# Altium PCB SecurityBoard.PcbDoc (part 1 of 2) (continued)
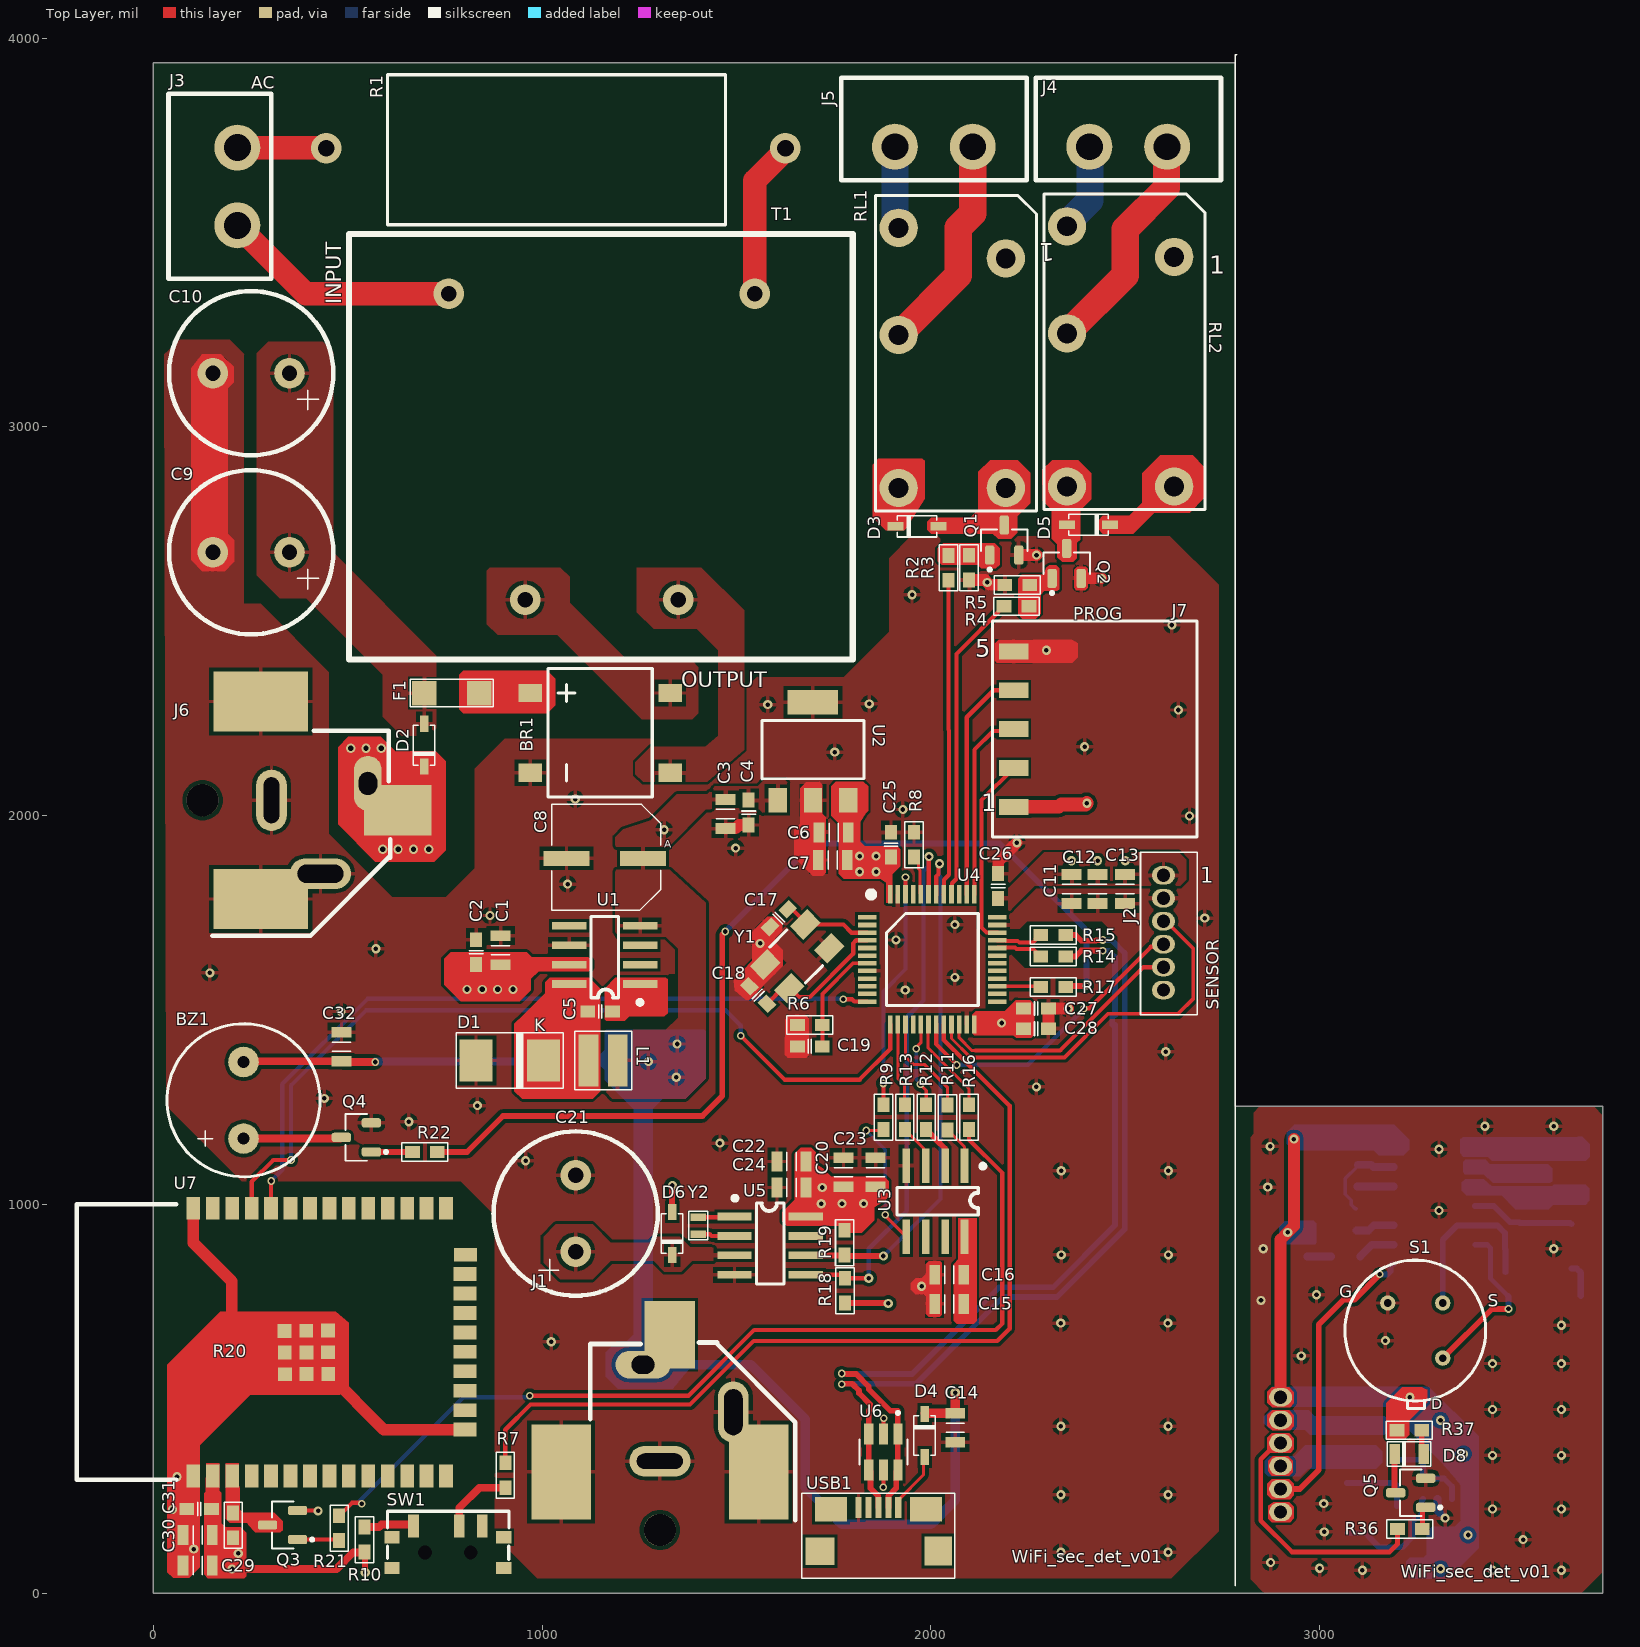
[diagram p0: Top Layer view]
## Classes and differential pairs
component class "Sensor Board": C33 C34 C35 C36 C37 C38 C39 C40 C41 C42 C43 C44 C45 C46 C47 D7 D8 J8 Q5 R23 R24 R25 R26 R27 R28 R29 R30 R31 R32 R33 R34 R35 R36 R37 RT1 S1 U8 U9
component class "Power Management": BR1 C1 C2 C3 C4 C5 C6 C7 C8 C9 C10 C11 C12 C13 C14 D1 D2 D3 D4 D5 F1 J1 J2 J3 J4 J5 J6 J7 L1 Q1 Q2 R1 R2 R3 R4 R5 RL1 RL2 T1 U1 U2 USB1
component class Microcontroller: BZ1 C15 C16 C17 C18 C19 C20 C21 C22 C23 C24 C25 C26 C27 C28 C29 C30 C31 C32 D6 Q3 Q4 R6 R7 R8 R9 R10 R11 R12 R13 R14 R15 R16 R17 R18 R19 R20 R21 R22 SW1 U3 U4 U5 U6 Y1 Y2
differential pair MCU: +MCU_P -MCU_N
differential pair USB: +USB_P -USB_N

## Components (designator, comment, footprint, x,y, rotation, side; value= is the part's Value field where it differs from the comment)
BR1 "DB105STR" DB105STR 1149.61,2212.6 r90 top
BZ1 "CMI-9605IC-0580T" CMI-9605IC-0580T 232.28,1267.72 r180 top
C1 "CL21B105KBFNNNE" CAP_0805 893.7,1653.54 r90 top
C2 "C0603X104K4RACTU" CAP_0603 830.71,1648.62 r90 top
C3 "CL21B105KBFNNNE" CAP_0805 1472.44,2003.94 r270 top
C4 "C0603X104K4RACTU" CAP_0603 1531.5,2007.87 r270 top
C5 "0603B103K160CT" CAP_0603 1149.61,1496.06 r180 top
C6 "CL21A475KAQNNNE" CAP_0805 1750.06,1956.69 r180 top
C7 "CL21B105KBFNNNE" CAP_0805 1748.03,1885.83 r180 top
C8 "CAP ALUM 68UF 20% 35V SMD" CAP_EEVSERIES 1161.42,1889.76 r180 top
C9 "ESY277M050AH4AA" CAP_RADIAL_D10P5 251.97,3137.8 r180 top
C10 "ESY277M050AH4AA" CAP_RADIAL_D10P5 251.97,2677.17 r180 top
C11 "CL21A475KAQNNNE" CAP_0805 2362.2,1811.02 r90 top
C12 "CL21A475KAQNNNE" CAP_0805 2429.13,1811.02 r90 top
C13 "CL21B105KBFNNNE" CAP_0805 2500,1811.02 r90 top
C14 "CL21A475KAQNNNE" CAP_0805 2062.99,425.2 r270 top
C15 "CL21B105KBFNNNE" CAP_0805 2047.24,744.09 r0 top
C16 "CL21B104KBCNNNC" CAP_0805 2047.24,818.9 r0 top
C17 "CL10C200JB8NNNC" CAP_0603 1609.25,1736.22 r45 top
C18 "CL10C200JB8NNNC" CAP_0603 1556.1,1538.39 r315 top
C19 "C0603X104K4RACTU" CAP_0603 1688.98,1406.5 r180 top
C20 "CL21A475KAQNNNE" CAP_0805 1775.59,1082.68 r270 top
C21 "ESY277M050AH4AA" CAP_RADIAL_D10P5 1086.61,976.38 r90 top
C22 "CL21B104KBCNNNC" CAP_0805 1641.73,1110.24 r0 top
C23 "CL21B105KBFNNNE" CAP_0805 1858.27,1082.68 r270 top
C24 "CL21B105KBFNNNE" CAP_0805 1641.73,1043.31 r0 top
C25 "C0603X104K4RACTU" CAP_0603 1897.64,1925.2 r270 top
C26 "C0603X104K4RACTU" CAP_0603 2173.23,1818.9 r270 top
C27 "C0603X104K4RACTU" CAP_0603 2270.67,1503.94 r180 top
C28 "C0603X104K4RACTU" CAP_0603 2270.67,1451.77 r180 top
C29 "CL21A475KAQNNNE" CAP_0805 114.17,70.87 r0 top
C30 "CL21B105KBFNNNE" CAP_0805 114.17,149.61 r0 top
C31 "C0603X104K4RACTU" CAP_0603 118.11,216.54 r0 top
C32 "CL21B104KBCNNNC" CAP_0805 484.25,1405.51 r270 top
C33 "C3216X5R1E336M160AC" CAP_1206 3648,1083 r90 bottom
C34 "C3216X5R1E336M160AC" CAP_1206 3648,892 r90 bottom
C35 "0603B103K160CT" CAP_0603 3570.87,984.25 r270 bottom
C36 "C0603X104K4RACTU" CAP_0603 3516,765 r180 bottom
C37 "0603B103K160CT" CAP_0603 3456.69,1110.24 r90 bottom
C38 "C0603X104K4RACTU" CAP_0603 3228.5,63.5 r0 bottom
C39 "C0603X104K4RACTU" CAP_0603 3512.5,884.89 r180 bottom
C40 "CL21A475KAQNNNE" CAP_0805 3161.42,224.41 r0 bottom
C41 "CL21B105KBFNNNE" CAP_0805 3003.94,318.9 r90 bottom
C42 "C0603X104K4RACTU" CAP_0603 3062.49,988.19 r0 bottom
C43 "C0603X104K4RACTU" CAP_0603 2972.44,1133.86 r90 bottom
C44 "CL21B105KBFNNNE" CAP_0805 3035.43,1132.39 r90 bottom
C45 "CL21A475KAQNNNE" CAP_0805 3072.91,466.69 r90 bottom
C46 "CL21A475KAQNNNE" CAP_0805 3002.05,466.69 r90 bottom
C47 "CL21B105KBFNNNE" CAP_0805 3143.78,466.69 r90 bottom
D1 "1SMB5919BT3G" 1SMB5919BT3G 917.32,1370.08 r0 top
D2 "1N4148WS" 1N4148WS 696.85,2181.1 r90 top
D3 "1N4148WS" 1N4148WS 1964.57,2744.09 r0 top
D4 "1N4148WS" 1N4148WS 1984.25,405.51 r270 top
D5 "1N4148WS" 1N4148WS 2405.51,2748.03 r180 top
D6 "1N4148WS" 1N4148WS 1334.65,925.2 r90 top
D7 "APT1608ZGCK" LED_GR_0805 3066.93,866.14 r0 bottom
D8 "LTST-C171EKT" LED_RED_0805 3230.4,358 r180 top
F1 "3413.0216.22" 3413.0216.22 767.72,2314.96 r180 top
J1 "PJ-037AH-SMT-TR" JACK 1303.15,413.39 r90 top
J2 "64800611622" 64800611622 2598.43,1698.82 r270 top
J3 "TBP01R1-508-02BE" TBP01R1-508 216.54,3618.11 r90 top
J4 "TBP01R1-508-02BE" TBP01R1-508 2507.87,3720.47 r0 top
J5 "TBP01R1-508-02BE" TBP01R1-508 2007.87,3720.47 r0 top
J6 "PJ-037AH-SMT-TR" JACK 377.95,2039.37 r0 top
J7 "SMH-105-02-L-S" PINHEADER1X5_RA 2500,2222.44 r90 top
J8 "64800611622" 64800611622 2899.68,356.46 r270 bottom
L1 "78438335470" IND_1212 1157.48,1370.08 r0 top
Q1 "MMBT3904-7-F" MMBT3904-7-F 2188.98,2708.66 r0 top
Q2 "MMBT3904-7-F" MMBT3904-7-F 2349.41,2648.62 r0 top
Q3 "MMBT3904-7-F" MMBT3904-7-F 332.68,175.2 r90 top
Q4 "MMBT3904-7-F" MMBT3904-7-F 522.44,1172.24 r90 top
Q5 "MMBT3904-7-F" MMBT3904-7-F 3234.33,258.03 r90 top
R1 "5WD27" RES_AXIAL_W 1035.43,3716.54 r0 top
R2 "AC0603FR-071KL" RES_0603 2045.28,2637.29 r90 top
R3 "RC0603FR-0710KL" RES_0603 2098.43,2637.8 r90 top
R4 "AC0603FR-071KL" RES_0603 2220.47,2538.39 r0 top
R5 "RC0603FR-0710KL" RES_0603 2222.44,2593.5 r0 top
R6 "RE0603DRE07100RL" RES_0603 1688.98,1461.61 r0 top
R7 "RE0603DRE07100RL" RES_0603 905.51,303.15 r270 top
R8 "RE0603DRE07100RL" RES_0603 1956.69,1925.2 r270 top
R9 "RE0603DRE07100RL" RES_0603 1877.95,1224.41 r90 top
R10 "RE0603DRE07100RL" RES_0603 543.31,137.8 r270 top
R11 "RE0603DRE07100RL" RES_0603 2043.31,1223.43 r90 top
R12 "RE0603DRE07100RL" RES_0603 1988.19,1224.41 r90 top
R13 "RE0603DRE07100RL" RES_0603 1933.07,1224.41 r90 top
R14 "RT0603WRE0715RL" RES_0603 2314.96,1637.8 r0 top
R15 "RT0603WRE0715RL" RES_0603 2314.96,1692.91 r0 top
R16 "RE0603DRE07100RL" RES_0603 2098.43,1224.41 r270 top
R17 "RE0603DRE07100RL" RES_0603 2314.96,1559.06 r0 top
R18 "RE0603DRE07100RL" RES_0603 1779.13,777.95 r270 top
R19 "RT0603BRB074K7L" RES_0603 1778.54,901.57 r90 top
R20 "AC0603FR-071KL" RES_0603 205.71,174.21 r90 top
R21 "RE0603DRE07100RL" RES_0603 478.35,167.32 r270 top
R22 "RE0603DRE07100RL" RES_0603 698.82,1134.84 r180 top
R23 "RC0603JR-07560KL" RES_0603 3515.75,984.25 r90 bottom
R24 "RC0603FR-0710KL" RES_0603 3640,765 r0 bottom
R25 "RC0603FR-0710KL" RES_0603 3071,186 r270 bottom
R26 "RC0603FR-0710KL" RES_0603 3570.87,1110.24 r270 bottom
R27 "RC0603JR-07560KL" RES_0603 3515.75,1110.24 r90 bottom
R28 "AC0603FR-071KL" RES_0603 3196.85,311.02 r270 bottom
R29 "RC0603DR-0743KL" RES_0603 3514.31,825.44 r180 bottom
R30 "RT0603BRD07220KL" RES_0603 3070.87,314.96 r90 bottom
R31 "RT0603BRD07220KL" RES_0603 3129.92,314.96 r90 bottom
R32 "RC0603JR-070RL" RES_0603 3065,1046 r0 bottom
R33 "RC0603JR-070RL" RES_0603 3062.99,933.07 r0 bottom
R34 "AC0603FR-071KL" RES_0603 2968.5,897.64 r90 bottom
R35 "RT0603BRD07220KL" RES_0603 3098.43,1133.86 r90 bottom
R36 "AC0603FR-071KL" RES_0603 3232.28,165.35 r0 top
R37 "RE0603DRE07100RL" RES_0603 3231,419 r180 top
RL1 "ALQ112" ALQ112 2055.12,3177.17 r90 top
RL2 "ALQ112" ALQ112 2488.19,3181.1 r90 top
RT1 "TFPT1206L1002FM" TFPT1206L1002FM 3248.03,118.11 r0 bottom
S1 "1601-LHI878/3902-ND" "LHI 878/3902" 3246.14,675.35 r0 top
SW1 "EG1215AA" EG1215AA 757.87,104.33 r0 top
T1 "BV302S12020-ZU" BV302S12020-ZU 1153.54,2948.82 r0 top
U1 "LM2675MX-12/NOPB" SOIC8 1161.42,1641.73 r90 top
U2 "AP7361-33E-13" SOT223 1696.85,2165.35 r0 top
U3 "MAX6662MSA" SOIC8 2011.81,1007.87 r180 top
U4 "STM32F103C6T6A" LQFP-48 2003.94,1629.92 r270 top
U5 "M41T00M6F" SOIC8 1586.61,893.7 r270 top
U6 "USBLC6-2SC6" SOT23-6L 1877.95,363.19 r270 top
U7 "ESP32-WROOM-32E (4MB)" ESP32-32E 453.15,645.67 r90 top
U8 "OPA314AIDBVR" SOT23-5 3303.15,291.34 r90 bottom
U9 "NCS36000DRG" SOIC14 3295.28,996.06 r180 bottom
USB1 "10118192-0001LF" MICRO_B_USB 1865.16,220.47 r0 top
Y1 "ECS-160-20-30B-TR" ECS 1656.5,1637.8 r45 top
Y2 "CRYSTAL_32768KHZ" ABS05 1401.57,944.88 r270 top

## Footprints (in the part's own frame and the unit in brackets; to place one, negate y for a bottom-side part, rotate by r counter-clockwise, add the part's x,y. Pads: shape width x height; smd on the part's side, far side on the other; paste and mask are expansions set on the pad)
1N4148WS [mm]
  rect 1.05x0.55 smd paste+0 mask+0.05: 1(-1.4,0) 2(1.4,0)
  silkscreen extent -1.3,-0.7 1.3,0.7, body extent -1.25,-0.68 1.25,0.68, height 1
1SMB5919BT3G [mil]
  rect 85x107.99 smd: 1(-87.01,0) 2(87.01,0)
  silkscreen extent -138,-71 137,71, body extent -104,-70 111,70, height 91
3413.0216.22 [mm]
  rect 1.6x1.6 smd mask+0.05: 1(-1.8,0) 2(1.8,0)
  silkscreen extent -2.7,-0.9 2.7,0.9, body extent -1.61,-0.8 1.61,0.8, height 0.66
64800611622 [mm]
  oval 1.2x1.5 hole 0.87 paste+0 mask+0.05: 1(-3.75,0) 2(-2.25,0) 3(-0.75,0) 4(0.75,0) 5(2.25,0) 6(3.75,0)
  silkscreen extent -5.25,-1.5 5.35,2.2, body extent -5.2,-1.35 5.3,2.15, height 4.51
ABS05 [mm]
  rect 0.5x1 smd paste+0 mask+0.05: 1(-0.55,0) 2(0.55,0)
  silkscreen extent -0.95,-0.62 0.92,0.63, body extent -0.8,-0.5 0.8,0.5, height 0.52
ALQ112 [mm]
  round 2.5 hole 1.3: 1(6.5,-3.5) 2(1.5,3.5) 3(8.5,3.5) 4(-8.5,-3.5) 5(-8.5,3.5)
  silkscreen extent -10,-5.5 10.6,5, body extent -9.8,-5.2 10.2,4.8, height 15.6
BV302S12020-ZU [mm]
  round 2 hole 1 mask+0.05: 1(10,10) 5(-10,10) 7(-5,-10) 9(5,-10)
  silkscreen extent -16.5,-13.9 16.4,13.9, body extent -16.25,-13.75 16.25,13.75, height 20.81
CAP_0603 [mil]
  rect 38x31 smd: 1(-32,0) 2(32,0)
  silkscreen extent -4,-18 4,18, body extent -48,-16 48,16, height 32
CAP_0805 [mm]
  rect 0.7x1.3 smd mask+0.05: 1(-0.95,0) 2(0.95,0)
  silkscreen extent -0.3,-0.6 0.3,0.6, body extent -1.4,-0.62 1.4,0.62, height 0.8
CAP_1206 [mm]
  rect 0.9x1.6 smd paste+0 mask+0.05: 1(-1.45,0) 2(1.45,0)
  silkscreen extent -0.3,-0.8 0.3,0.8, body extent -1.6,-0.79 1.6,0.77, height 1.67
CAP_EEVSERIES [mm]
  rect 3x1 smd: 1(-2.5,0) 2(2.5,0)
  silkscreen extent -3.65,-3.52 3.45,3.37, body extent -3.78,-3.42 3.82,3.37, height 8.02
CAP_RADIAL_D10P5 [mm]
  round 2 hole 1 mask+0.05: 1(-2.5,0) 2(2.5,0)
  silkscreen extent -5.37,-5.37 5.37,5.37, body extent -5.25,-5.15 5.25,5.35, height 22.12
CMI-9605IC-0580T [mm]
  round 2 hole 0.8: 1(0,2.5) 2(0,-2.5)
  silkscreen extent -5,-5 5,5, body extent -4.8,-4.8 4.8,4.8, height 5.2
DB105STR [mm]
  rect 1.2x1.52 smd mask+0.05: 1(-2.605,-4.57) 2(2.605,-4.57) 3(2.605,4.57) 4(-2.605,4.57)
  silkscreen extent -4.2,-3.4 4.2,3.4, body extent -4.16,-5.2 4.16,5.2, height 2.67
ECS [mm]
  rect 1.6x1.25 smd paste+0 mask+0.05: 1(-1.85,-1.1) 2(1.85,-1.1) 3(1.85,1.1) 4(-1.85,1.1)
  silkscreen extent -0.85,-1.6 0.75,1.7, body extent -2.45,-1.6 2.55,1.6, height 0.86
EG1215AA [mm]
  rect 0.7x1.5 smd mask+0.05: 1(-2.25,1.75) 2(0.75,1.75) 3(2.25,1.75)
  rect 1x0.8 smd mask+0.05: ""(-3.655,-1.007) ""(-3.65,1) ""(3.65,-1) ""(3.65,1)
  round 0 hole 0.9 mask+0.05: ""(-1.5,0) ""(1.5,0)
  silkscreen extent -3.95,-0.45 4,2.7, body extent -3.85,-2.7 3.85,2.2, height 1.41
ESP32-32E [mm]
  rect 1.5x0.9 smd: 1(-8.745,8.89) 2(-8.745,7.62) 3(-8.745,6.35) 4(-8.745,5.08) 5(-8.745,3.81) 6(-8.745,2.54) 7(-8.745,1.27) 8(-8.745,0) 9(-8.745,-1.27) 10(-8.745,-2.54) 11(-8.745,-3.81) 12(-8.745,-5.08) 13(-8.745,-6.35) 14(-8.745,-7.62) 25(8.745,-7.62) 26(8.745,-6.35) 27(8.745,-5.08) 28(8.745,-3.81) 29(8.745,-2.54) 30(8.745,-1.27) 31(8.745,0) 32(8.745,1.27) 33(8.745,2.54) 34(8.745,3.81) 35(8.745,5.08) 36(8.745,6.35) 37(8.745,7.62) 38(8.745,8.89)
  rect 0.9x1.5 smd: 15(-5.715,-8.87) 15(-5.715,-8.87) 16(-4.445,-8.87) 17(-3.175,-8.87) 18(-1.905,-8.87) 19(-0.635,-8.87) 20(0.635,-8.87) 21(1.905,-8.87) 22(3.175,-8.87) 23(4.445,-8.87) 24(5.715,-8.89)
  rect 0.9x0.9 smd: 39(-2.1,2.91) 39(-2.089,1.494) 39(-2.078,0.078) 39(-0.684,2.921) 39(-0.673,1.505) 39(-0.662,0.089) 39(0.732,2.932) 39(0.743,1.516) 39(0.754,0.1)
  silkscreen extent -9,10 9,16.5, body extent -9.05,-9.16 9.02,16.38, height 3.05
IND_1212 [mm]
  rect 1.3x3.4 smd: 1(-0.95,0) 2(0.95,0)
  silkscreen extent -1.85,-1.9 1.85,1.9, body extent -1.5,-1.5 1.5,1.5, height 1.21
JACK [mm]
  oval 1.8x3.6 hole 1.2 slot 1.5 at 90 deg: 1(4.425,1.1)
  rect 4.4x3.3 smd: 1(6.375,-0.65)
  rect 6.2x3.9 smd: 2(-2.575,6.45) 3(-2.575,-6.45)
  oval 2x4 hole 1 slot 3 at 90 deg: 2(-1.875,0)
  oval 4x2 hole 1.2 slot 3 at 0 deg: 3(1.325,-4.8)
  round 2.1 hole 2.1 unplated: ""(-6.375,0)
  silkscreen extent -5.72,-8.85 5.88,4.55, body extent -9.43,-7.65 7.67,7.55, height 11.08
LED_GR_0805 [mm]
  rect 0.7x1.3 smd mask+0.05: 1(-0.95,0) 2(0.95,0)
  silkscreen extent -1.43,-0.85 1.43,0.85, body extent -1,-0.63 1,0.62, height 0.76
LED_RED_0805 [mm]
  rect 0.7x1.3 smd mask+0.05: 1(-0.95,0) 2(0.95,0)
  silkscreen extent -1.43,-0.85 1.43,0.85, body extent -1.01,-0.62 1.01,0.62, height 1.1
"LHI 878/3902" [mm]
  round 1 hole 0.5: 1(1.798,-1.798) 2(1.8,1.8) 3(-1.8,1.8)
  silkscreen extent -4.6,-5.1 4.6,4.6, body extent -4.6,-5.03 4.6,4.6, height 4.3
LQFP-48 [mm]
  rect 0.3x1.2 smd mask+0.05: 1(-2.75,-4.25) 1(-2.75,-4.25) 2(-2.25,-4.25) 3(-1.75,-4.25) 4(-1.25,-4.25) 5(-0.75,-4.25) 6(-0.25,-4.25) 7(0.25,-4.25) 8(0.75,-4.25) 9(1.25,-4.25) 10(1.75,-4.25) 11(2.25,-4.25) 12(2.75,-4.25) 25(2.75,4.25) 26(2.25,4.25) 27(1.75,4.25) 28(1.25,4.25) 29(0.75,4.25) 30(0.25,4.25) 31(-0.25,4.25) 32(-0.75,4.25) 33(-1.25,4.25) 34(-1.75,4.25) 35(-2.25,4.25) 36(-2.75,4.25)
  rect 1.2x0.3 smd mask+0.05: 13(4.25,-2.75) 14(4.25,-2.25) 15(4.25,-1.75) 16(4.25,-1.25) 17(4.25,-0.75) 18(4.25,-0.25) 19(4.25,0.25) 20(4.25,0.75) 21(4.25,1.25) 22(4.25,1.75) 23(4.25,2.25) 24(4.25,2.75) 37(-4.25,2.75) 38(-4.25,2.25) 39(-4.25,1.75) 40(-4.25,1.25) 41(-4.25,0.75) 42(-4.25,0.25) 43(-4.25,-0.25) 44(-4.25,-0.75) 45(-4.25,-1.25) 46(-4.25,-1.75) 47(-4.25,-2.25) 48(-4.25,-2.75)
  silkscreen extent -4.45,-4.2 3,3, body extent -4.5,-4.5 4.5,4.5, height 1.45
MICRO_B_USB [mm]
  rect 0.4x1.35 smd paste+0 mask+0.05: 1(1.3,0) 2(0.65,0) 3(0,0) 4(-0.65,0) 5(-1.3,0)
  rect 1.9x1.8 smd paste+0 mask+0.05: ""(-3.8,-2.85)
  rect 2.1x1.6 smd paste+0 mask+0.05: ""(-3.1,-0.125) ""(3.1,-0.125)
  rect 1.8x1.9 smd paste+0 mask+0.05: ""(3.9,-2.85)
  silkscreen extent -5,-4.62 4.97,0.92, body extent -3.96,-5.36 3.96,0.3, height 2.78
MMBT3904-7-F [mm]
  rrect50% 0.61x1.26 smd: B(-0.95,-0.98) C(0,0.98) E(0.95,-0.98)
  silkscreen extent -1.53,-2.03 1.53,0.7, body extent -1.03,-1.3 0.97,0.8, height 1.01
PINHEADER1X5_RA [mil]
  rect 40.95x75.2 smd: 1(-200,286.5) 2(-100,286.5) 3(0,286.5) 4(100,286.5) 5(200,286.5)
  silkscreen extent -278,-185 278,342, body extent -260,-157 260,313, height 96
RES_0603 [mil]
  rect 38x31 smd: 1(-32,0) 2(32,0)
  silkscreen extent -59,-24 59,24, body extent -48,-16 48,16, height 32
RES_AXIAL_W [mm]
  round 2 hole 1.1 mask+0.05: 1(-15,0) 2(15,0)
  silkscreen extent -11,-5 11.1,4.8, body extent -15.43,-4.83 15.42,4.67, height 5.25
SOIC8 [mm]
  rect 0.5x2.25 smd: 1(-1.905,-2.325) 2(-0.635,-2.325) 3(0.635,-2.325) 4(1.905,-2.325) 5(1.905,2.325) 6(0.635,2.325) 7(-0.635,2.325) 8(-1.905,2.325)
  silkscreen extent -3.24,-2.44 2.5,0.9, body extent -2.46,-3.01 2.44,2.99, height 1.75
SOIC14 [mm]
  rect 1.18x0.58 smd paste+0 mask+0.05: 1(-2.66,3.81) 2(-2.66,2.54) 3(-2.66,1.27) 4(-2.66,0) 5(-2.66,-1.27) 6(-2.66,-2.54) 7(-2.66,-3.81) 8(2.66,-3.81) 9(2.66,-2.54) 10(2.66,-1.27) 11(2.66,0) 12(2.66,1.27) 13(2.66,2.54) 14(2.66,3.81)
  silkscreen extent -1.8,-4.4 1.8,5.3, body extent -3,-4.4 3,4.4, height 1.7
SOT23-5 [mm]
  rect 1.21x0.59 smd mask+0.05: 1(-1.255,0.95) 2(-1.255,0) 3(-1.255,-0.95) 4(1.255,-0.95) 5(1.255,0.95)
  silkscreen extent -2.51,-1.45 0.8,1.45, body extent -1.4,-1.45 1.4,1.45, height 1.31
SOT23-6L [mm]
  rect 1.36x0.6 smd: 1(-1.175,0.95) 2(-1.175,0) 3(-1.175,-0.95) 4(1.175,-0.95) 5(1.175,0) 6(1.175,0.95)
  silkscreen extent -2.65,-1.57 0.81,1.57, body extent -1.35,-1.45 1.45,1.45, height 1.18
SOT223 [mm]
  rect 1.2x1.6 smd: 1(-2.3,-3.2) 2(0,-3.2) 2(0,-3.2) 3(2.3,-3.2) 3(2.3,-3.2)
  rect 3.3x1.6 smd: 2(0,3.2)
  silkscreen extent -3.33,-1.82 3.34,2, body extent -3.25,-3.28 3.25,3.68, height 1.68
TBP01R1-508 [mm]
  round 3 hole 1.75: 1(-2.54,0) 2(2.54,0)
  silkscreen extent -6.04,-2.2 6.06,4.5, body extent -5.9,-2 5.86,10, height 8.51
TFPT1206L1002FM [mm]
  rect 0.9x1.6 smd mask+0.05: 1(-1.45,0) 2(1.45,0)
  silkscreen extent -0.85,-0.8 0.85,0.8, body extent -2.27,-0.8 2.27,0.8, height 1.25

## Part data
BR1: "Bridge Rectifier Single Phase Standard 600 V Surface Mount DB-S", Average Rectified Current=1A, Case/Package=SMD/SMT, Manufacturer=SMC, Max Operating Temperature=150°C, Min Operating Temperature=-55°C, Supplier Part Number 1=1655-1821-1-ND, ComponentLink1Description=http://www.smc-diodes.com/propdf/DB101S%20THRU%20DB107S%20N1459%20REV.B.pdf?src-supplier=Digi-Key, ComponentLink1URL=http://www.smc-diodes.com/propdf/DB101S%20THRU%20DB107S%20N1459%20REV.B.pdf?src-supplier=Digi-Key, DesignedBy=ENES, Manufacturer Part Number=DB105STR, Mount="Surface Mount", Packaging="Tape and Reel", Pricing 1="1=0.42000, 10=0.31300, 100=0.19490, 500=0.13334 (USD)", RoHS=No, Stock 1=1218, Supplier 1=Digi-Key
BZ1: "Buzzers Indicator, Internally Driven Magnetic 5 V 30mA 2.7kHz 80dB @ 5V, 10cm Through Hole PC Pins", Case/Package=CMI-9605IC, Manufacturer="CUI Devices", Supplier Part Number 1=2223-CMI-9605IC-0580T-ND, DesignedBy=ENES, Manufacturer Part Number=CMI-9605IC-0580T, Pricing 1="1=1.56000, 10=1.17900, 25=1.09080, 50=1.02680, 100=0.96490, 500=0.83018, 1000=0.77805 (USD)", RoHS=No, Stock 1=1487, Supplier 1=Digi-Key
C1 C3 C7 C13 C15 C23 C24 C30 C41 C44 C47: library part "CAP CER 1uF 0805", "SAMSUNG ELECTRO-MECHANICS - CL21B105KBFNNNE - SMD Multilayer Ceramic Capacitor, 1 µF, 50 V, 0805 [2012 Metric], ± 10%, X7R, CL Series", Capacitance=1uF, Case Code (Imperial)=0805, Case Code (Metric)=2012, Dielectric=X7R, Manufacturer=Samsung, Max Operating Temperature=125°C, Min Operating Temperature=-55°C, Package Quantity=1, Supplier Part Number 1=82AC9435, Tolerance=10%, Voltage=50V, Case/Package=0805, Category="Ceramic Capacitors", ComponentLink1Description=https://datasheet.ciiva.com/25800/cl21b105kbfnnne-25800291.pdf?src-supplier=Digi-Key, ComponentLink1URL=https://datasheet.ciiva.com/25800/cl21b105kbfnnne-25800291.pdf?src-supplier=Digi-Key, ComponentLink2Description=https://datasheet.ciiva.com/16449/cl21b105kbfnnne-16449003.pdf?src-supplier=Future+Electronics, ComponentLink2URL=https://datasheet.ciiva.com/16449/cl21b105kbfnnne-16449003.pdf?src-supplier=Future+Electronics, ComponentLink3Description=https://datasheet.ciiva.com/26838/getdatasheetpartid-354075-26838668.pdf?src-supplier=Verical, ComponentLink3URL=https://datasheet.ciiva.com/26838/getdatasheetpartid-354075-26838668.pdf?src-supplier=Verical, Construction=Flat, Depth=1.25mm, Height=1.25mm, Length=2mm, Manufacturer Part Number=CL21B105KBFNNNE, Mount="Surface Mount", Packaging="Tape and Reel", Pricing 1="1=0.16300, 10=0.11300, 25=0.08900, 50=0.06400, 100=0.05300 (USD)", Radiation Hardening=No, RoHS=Yes, RoHS Compliant=Yes, Series=CL, Stock 1=742, Supplier 1=Newark, Thickness=0.053inch, Voltage Rating=50V, Width=0.049inch
C2 C4 C19 C25 C26 C27 C28 C31 C36 C38 C39 C42 C43: library part "CAP CER 100nF  0603", "CAP CER 0.1UF 16V X7R 0603", Capacitance=100nF, Case Code (Imperial)=0603, Case Code (Metric)=1608, Dielectric=X7R, Dielectric Material=Ceramic, Manufacturer=KEMET, Max Operating Temperature=125°C, Min Operating Temperature=-55°C, Package Quantity=4000, Supplier Part Number 1=399-5344-1-ND, Tolerance=10%, Voltage=16V, Case/Package=0603, Category="Ceramic Capacitors", ComponentLink1Description=https://datasheet.ciiva.com/14597/70096394-14597397.pdf?src-supplier=Allied+Electronics, ComponentLink1URL=https://datasheet.ciiva.com/14597/70096394-14597397.pdf?src-supplier=Allied+Electronics, ComponentLink2Description=https://datasheet.ciiva.com/14594/70096394-14594795.pdf?src-supplier=Allied+Electronics, ComponentLink2URL=https://datasheet.ciiva.com/14594/70096394-14594795.pdf?src-supplier=Allied+Electronics, Depth=0.8mm, DesignedBy=ENES, Dissipation Factor=3.5%, Features="Soft Termination", Height=0.8mm, Length=1.6mm, Manufacturer Part Number=C0603X104K4RACTU, Mount="Surface Mount,PCB", Number of Pins=2, Packaging="Tape and Reel", Pricing 1="1=0.42000, 10=0.28900, 50=0.20220, 100=0.17320, 500=0.12994, 1000=0.10972 (USD)", Radiation Hardening=No, REACH SVHC="No SVHC", RoHS=Yes, Stock 1=7802, Supplier 1=Digi-Key, Termination=SMD/SMT, Thickness=0.034inch, Voltage Rating=16V, Voltage Rating (DC)=16V, Width=0.8mm
C5 C35 C37: library part "CAP CER 10nF 0603", "WALSIN         0603B103K160CT             SMD Multilayer Ceramic Capacitor, 0603 [1608 Metric], 0.01 F, 16 V,  10%, X7R", Capacitance=10nF, Case Code (Imperial)=0603, Case Code (Metric)=1608, Dielectric=X7R, Manufacturer="Walsin Technologies", Max Operating Temperature=125°C, Min Operating Temperature=-55°C, Supplier Part Number 1=1292-1384-1-ND, Tolerance=10%, Voltage Rating=16V, Case/Package=0603, Category="Ceramic Capacitors", ComponentLink1Description=http://www.farnell.com/datasheets/1958513.pdf?src-supplier=Farnell, ComponentLink1URL=http://www.farnell.com/datasheets/1958513.pdf?src-supplier=Farnell, ComponentLink2Description=http://components.arrow.com/part/dataview/0323_00656382?src-supplier=Arrow+Europe, ComponentLink2URL=http://components.arrow.com/part/dataview/0323_00656382?src-supplier=Arrow+Europe, ComponentLink3Description=http://www.farnell.com/datasheets/1958513.pdf?src-supplier=Element14, ComponentLink3URL=http://www.farnell.com/datasheets/1958513.pdf?src-supplier=Element14, ComponentLink4Description=http://www.passivecomponent.com/wp-content/uploads/2018/10/MLCC.pdf?src-supplier=Digi-Key, ComponentLink4URL=http://www.passivecomponent.com/wp-content/uploads/2018/10/MLCC.pdf?src-supplier=Digi-Key, Depth=0.8mm, Length=1.6mm, Manufacturer Part Number=0603B103K160CT, Packaging="Tape and Reel", Pricing 1="1=0.10000, 10=0.03700, 50=0.02040, 100=0.01660, 500=0.01188, 1000=0.00933 (USD)", REACH SVHC=Unknown, RoHS=Yes, RoHS Compliant=Yes, Stock 1=61046, Supplier 1=Digi-Key, Voltage Rating (DC)=16V
C6 C11 C12 C14 C20 C29 C40 C45 C46: library part "CAP CER 4.7uF 0805", "CAP CER 4.7uF %10 0805", Capacitance=4.7uF, Case Code (Imperial)=0805, Case Code (Metric)=2012, Dielectric=X5R, Manufacturer=Samsung, Max Operating Temperature=85°C, Min Operating Temperature=-55°C, Package Quantity=1, Tolerance=10%, Voltage Rating=25V, Case/Package=0805, Category="Ceramic Capacitors", ComponentLink1Description=https://datasheet.ciiva.com/25798/cl21a475kaqnnne-25798882.pdf?src-supplier=Digi-Key, ComponentLink1URL=https://datasheet.ciiva.com/25798/cl21a475kaqnnne-25798882.pdf?src-supplier=Digi-Key, Construction=Flat, Depth=1.25mm, Height=1.25mm, Lead Free="Lead Free", Length=2mm, Manufacturer Part Number=CL21A475KAQNNNE, Mount="Surface Mount", Packaging="Tape and Reel", Pricing 1="1=0.09310, 10=0.05730, 25=0.05670 (USD)", Radiation Hardening=No, RoHS=Yes, RoHS Compliant=Yes, Series=CL, Stock 1=28, Supplier 1="Arrow Electronics", Supplier Part Number 1=CL21A475KAQNNNE, Thickness=0.055inch, Voltage Rating (DC)=25V, Width=0.049inch
C8: library part "CAP ALUM 68UF", "Cap Aluminum Lytic 68uF 35V 20% (6.3 X 7.7mm) SMD 280mA 2000h 105C T/R", Capacitance=68uF, Case/Package=Radial, Manufacturer=KEMET, Manufacturer Part Number=EEV686M035A9HAA, Max Operating Temperature=105°C, Min Operating Temperature=-40°C, Package Quantity=1, Ripple Current=196mA, Supplier Part Number 1=80-EEV686M035A9HAA, Tolerance=20%, Voltage Rating=35V, Category="Aluminum Electrolytic Capacitors", ComponentLink1Description=https://datasheet.ciiva.com/5365/kem-a4002-eev-535332-5365784.pdf?src-supplier=Mouser, ComponentLink1URL=https://datasheet.ciiva.com/5365/kem-a4002-eev-535332-5365784.pdf?src-supplier=Mouser, Height - Seated (Max)=0.315inch, Impedance=340mR, Length=7.7mm, Life (Hours)=2000Hour, Mount="Surface Mount", Packaging="Tape and Reel", Pricing 1="1=0.49000, 10=0.26200, 50=0.26200, 100=0.22800, 1000=0.14200, 10000=0.12000 (USD)", RoHS=Yes, RoHS Compliant=Yes, Series=EEV, Stock 1=175, Supplier 1=Mouser, Termination=SMD/SMT, Voltage Rating (DC)=35V
C9 C10: "Cap, 470UF, 50V, Alu Elec, Radial", Capacitance=470uF, Case/Package=Radial, Manufacturer=KEMET, Manufacturer Part Number=ESH477M050AH4AA, Max Operating Temperature=105°C, Min Operating Temperature=-40°C, Supplier Part Number 1=399-15683-ND, Tolerance=20%, Voltage Rating=50V, ComponentLink1Description=https://api.kemet.com/component-edge/download/datasheet/ESH477M050AH4AA.pdf?src-supplier=Digi-Key, ComponentLink1URL=https://api.kemet.com/component-edge/download/datasheet/ESH477M050AH4AA.pdf?src-supplier=Digi-Key, Life (Hours)=2000Hour, Mount="Through Hole", Packaging=Bulk, Polarity=Polar, Pricing 1="1=0.59000, 10=0.41700, 50=0.31540, 100=0.27470, 500=0.20350, 1000=0.17298, 2500=0.16280, 5000=0.15262 (USD)", RoHS=No, RoHS Compliant=No, Supplier 1=Digi-Key
C16 C22 C32: library part "CAP CER 100nF  0805", "CAP CER %10 0805", Capacitance=100nF, Case Code (Imperial)=0805, Case Code (Metric)=2012, Dielectric=X7R, Manufacturer=Samsung, Max Operating Temperature=125°C, Min Operating Temperature=-55°C, Supplier Part Number 1=1276-1003-1-ND, Tolerance=10%, Voltage=50V, Case/Package=0805, Category="Ceramic Capacitors", ComponentLink1Description=https://datasheet.ciiva.com/25710/cl21b104kbcnnnc-25710182.pdf?src-supplier=Digi-Key, ComponentLink1URL=https://datasheet.ciiva.com/25710/cl21b104kbcnnnc-25710182.pdf?src-supplier=Digi-Key, ComponentLink2Description=https://datasheet.ciiva.com/29199/454152-da-01-en-vs-kondensator-0805-29199814.pdf?src-supplier=Conrad, ComponentLink2URL=https://datasheet.ciiva.com/29199/454152-da-01-en-vs-kondensator-0805-29199814.pdf?src-supplier=Conrad, Construction=Flat, Contact Plating=Tin, Depth=1.25mm, Height=0.85mm, Lead Free="Lead Free", Length=2mm, Manufacturer Part Number=CL21B104KBCNNNC, Material=Ceramic, Mount="Surface Mount", Packaging="Tape and Reel", Pricing 1="1=0.10000, 10=0.04900, 50=0.02680, 100=0.02190, 500=0.01566, 1000=0.01230 (USD)", Radiation Hardening=No, RoHS=Yes, RoHS Compliant=Yes, Series=CL, Stock 1=1183365, Supplier 1=Digi-Key, Thickness=0.037inch, Voltage Rating=50V, Voltage Rating (DC)=50V, Width=0.049inch
C17 C18: library part "CAP CER 20pF", "SAMSUNG ELECTRO-MECHANICS - CL10C200JB8NNNC - SMD Multilayer Ceramic Capacitor, 20 pF, 50 V, 0603 [1608 Metric], ± 5%, C0G / NP0, CL Series", Capacitance=20pF, Case Code (Imperial)=0603, Case Code (Metric)=1608, Dielectric=C0G, Manufacturer=Samsung, Max Operating Temperature=125°C, Min Operating Temperature=-55°C, Package Quantity=1, Supplier Part Number 1=1276-1187-1-ND, Temperature Coefficient=300ppm/°C, Tolerance=5%, Voltage=50V, Case/Package=0603, Category="Ceramic Capacitors", ComponentLink1Description=https://datasheet.ciiva.com/26877/getdatasheetpartid-640634-26877974.pdf?src-supplier=Verical, ComponentLink1URL=https://datasheet.ciiva.com/26877/getdatasheetpartid-640634-26877974.pdf?src-supplier=Verical, ComponentLink2Description=https://datasheet.ciiva.com/26310/mlcc-catalogdownload2013-eng-26310315.pdf?src-supplier=Distrelec, ComponentLink2URL=https://datasheet.ciiva.com/26310/mlcc-catalogdownload2013-eng-26310315.pdf?src-supplier=Distrelec, Construction=Flat, Depth=0.8mm, Height=0.8mm, Length=1.6mm, Manufacturer Part Number=CL10C200JB8NNNC, Mount="Surface Mount", Packaging="Tape and Reel", Pricing 1="1=0.10000, 10=0.04900, 50=0.02680, 100=0.02180, 500=0.01558, 1000=0.01224 (USD)", Radiation Hardening=No, RoHS=Yes, RoHS Compliant=Yes, Series=CL, Stock 1=669806, Supplier 1=Digi-Key, Thickness=0.035inch, Voltage Rating=50V, Width=0.031inch